# Altium PCB Bran_Main_Assay_PCB_v2_20170828.pcbdoc (part 4 of 5)
Units mil, origin at the board's own origin, x right, y up, seen from the top; angles counter-clockwise.
Board outline 3608.46 x 1899.79 mil, 6 copper layers (TOP, GND1, Singal, POWER, GND2, BOTTOM), stack 31.508 mil thick; 367 components, 288 nets, 1408 pads, 967 vias.
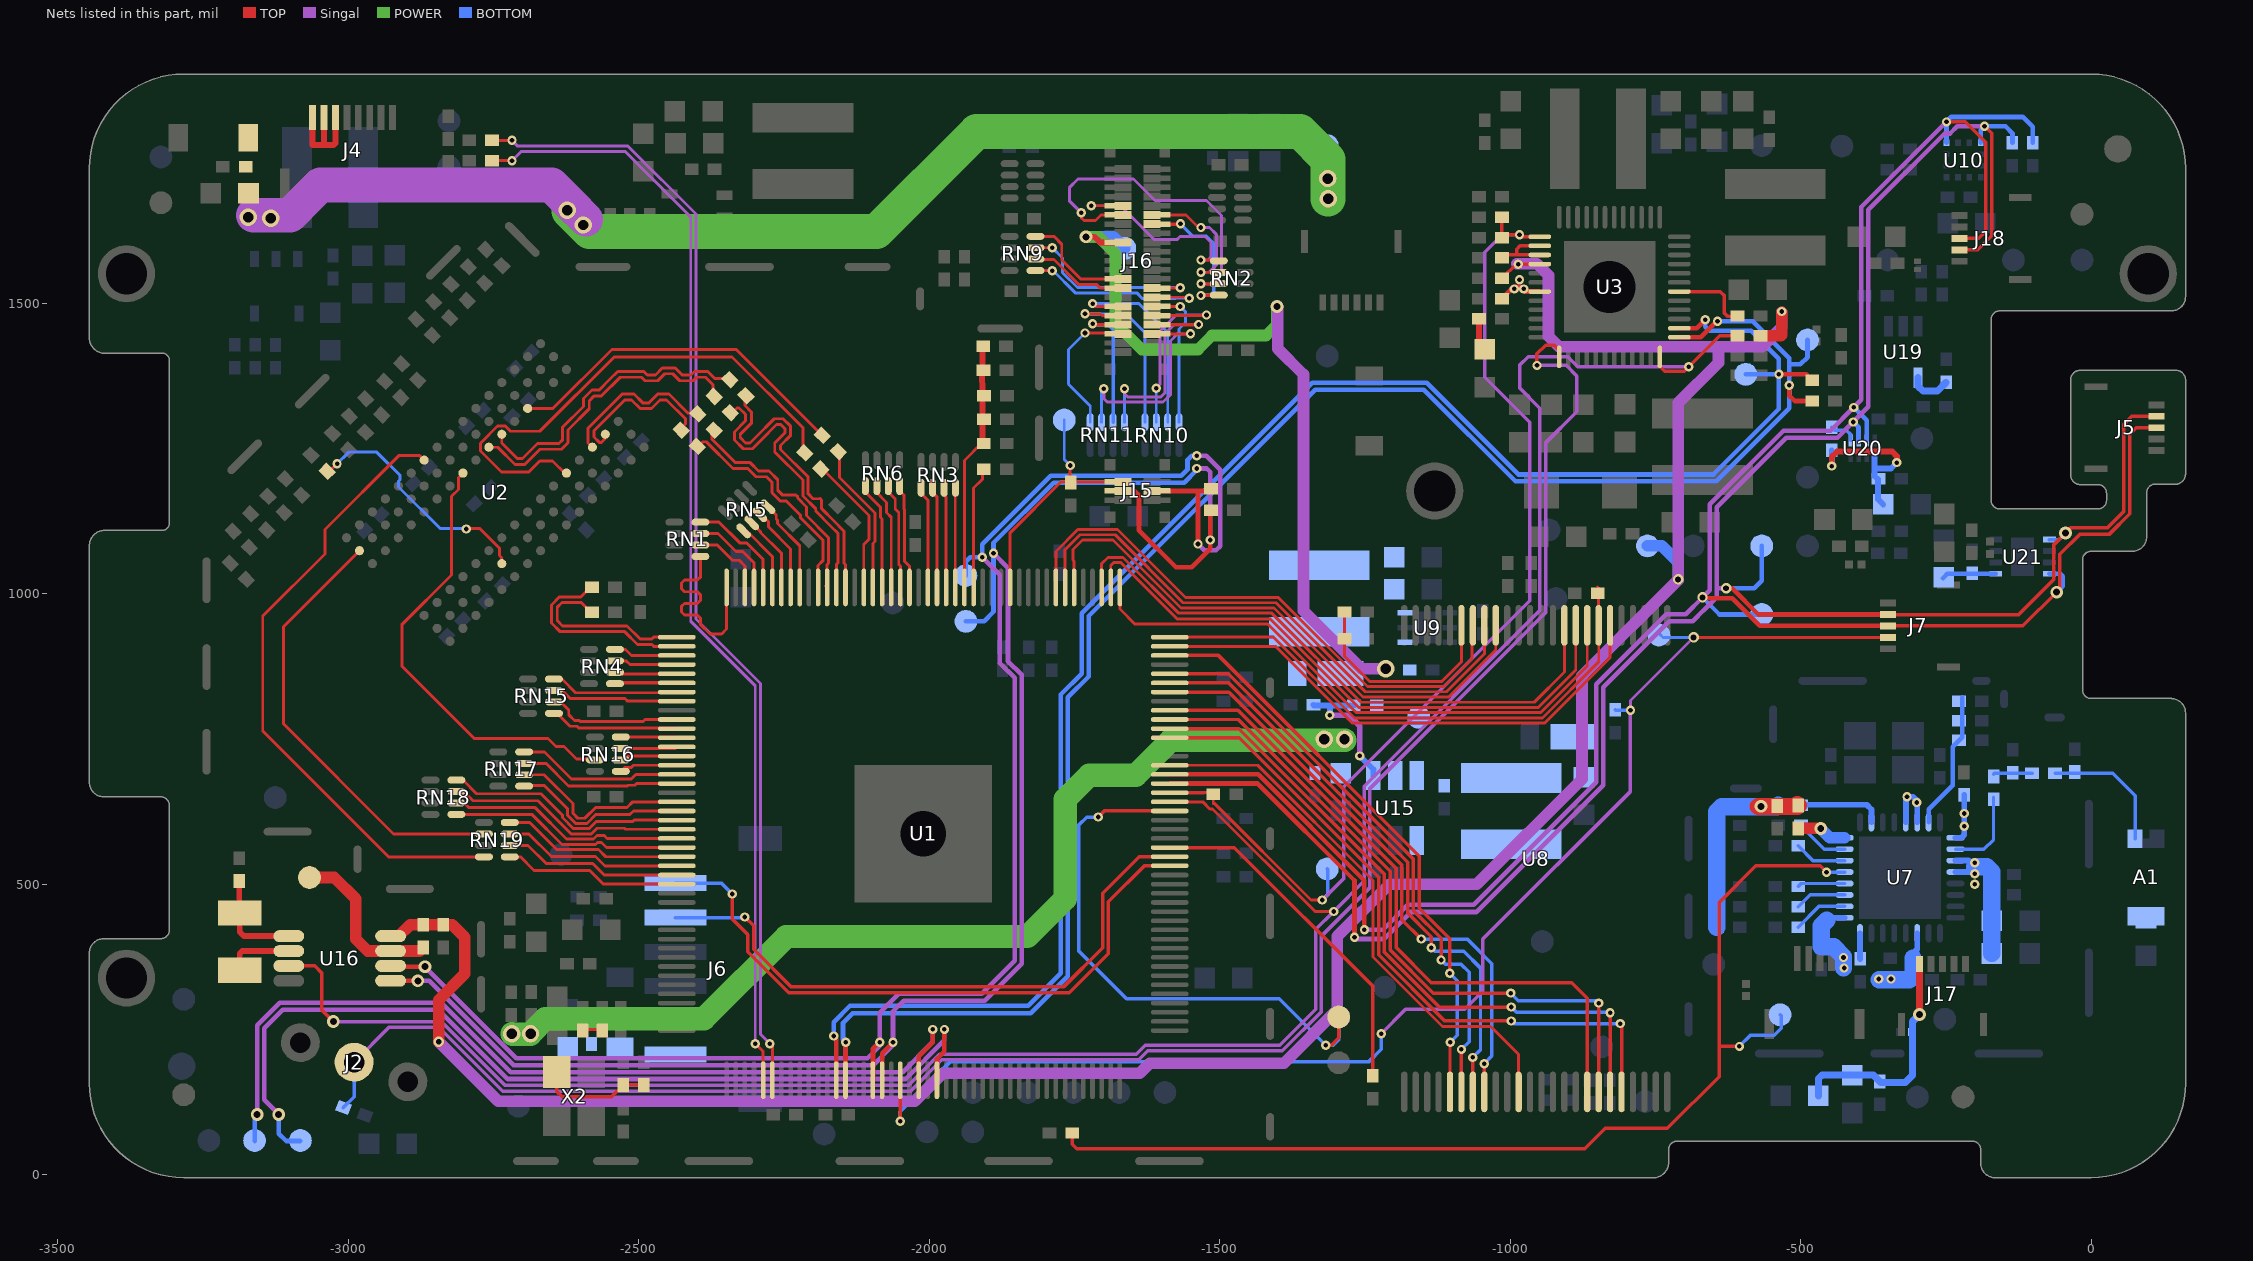
[diagram p8: the nets of this part, all layers, seen from the top]

## Via types
v1: diameter 16, hole 8, TOP to BOTTOM, tented both sides, 424 vias
v2: diameter 18, hole 10, TOP to BOTTOM, tented both sides, 255 vias
v3: diameter 22, hole 12, TOP to BOTTOM, tented both sides, 195 vias
v4: diameter 30, hole 18, TOP to BOTTOM, tented both sides, 69 vias
v5: diameter 24, hole 13, TOP to BOTTOM, tented both sides, 11 vias
v6: diameter 19.68, hole 7.87, TOP to BOTTOM, 9 vias
v7: diameter 22, hole 2, TOP to BOTTOM, tented both sides, 2 vias
v8: diameter 17.99, hole 10, TOP to BOTTOM, tented both sides, 1 vias
v9: diameter 20, hole 10, TOP to BOTTOM, tented both sides, 1 vias

## Nets (pads, with @x,y where several pads share a name; then routed paths per layer and width w, separated by ;. In a path a pad name is that pad's centre, name@x,y a point inside that pad or via, vN(x,y) a via of type N, cw(c..) or ccw(c..) an arc to the next point about the centre after c; other vN are vias at no path point) (continued)
N16977240: J16.29 RN9.5 | length 347.6
  TOP w5: RN9.5@-1817.21,1556.47 v1(-1788.3,1556.47) v1@-1786.93,1556.47 ; J16.29@-1616.73,1510.63 J16.29@-1593.5,1510.63 v1@-1554.34,1510.63
  BOTTOM w5: v1@-1786.69,1556.47 -1786.93,1556.47 -1748.7,1518.24 -1642.95,1518.24 -1633.45,1508.74 -1575.95,1508.74 -1575.45,1509.24 -1552.95,1509.24 v1(-1552.45,1508.74)
N16977241: J16.28 RN9.6 | length 171.1
  TOP w5: RN9.6@-1817.21,1576.16 -1816.59,1575.53 -1785.49,1575.53 -1742.2,1532.24 -1711.64,1532.24 -1705.78,1526.38 J16.28@-1689.96,1526.38 J16.28@-1666.73,1526.38
N16977242: J16.27 RN9.7 | length 342.5
  TOP w5: RN9.7@-1817.21,1595.84 -1788.3,1595.84 v1@-1786.62,1595.84 ; J16.27@-1616.73,1526.38 J16.27@-1593.5,1526.38 v1@-1568.56,1526.38
  BOTTOM w5: v1(-1788.3,1596) -1770.46,1578.17 -1770.46,1552.97 -1744.74,1527.24 -1568.19,1527.24 v1(-1567.94,1526.99)
N16977243: J16.26 RN9.8 | length 196.9
  TOP w5: RN9.8@-1817.21,1615.53 -1785.49,1615.53 -1771.96,1602.01 -1771.96,1574.73 -1739.36,1542.13 J16.26@-1689.96,1542.13 J16.26@-1666.73,1542.13
N16977551: J16.34 RN10.5 | length 337.2
  TOP w5: v1(-1731.94,1481.99) -1705.8,1481.99 -1702.94,1479.13 J16.34@-1689.96,1479.13 J16.34@-1666.73,1479.13
  BOTTOM w5: v1(-1731.94,1481.99) -1660.98,1481.99 -1628.98,1449.99 RN10.5@-1628.98,1295.44
N16977552: J16.33 RN10.6 | length 343.8
  TOP w5: J16.33@-1616.73,1479.13 J16.33@-1593.5,1479.13 v1@-1523.8,1479.13
  Singal w5: v1(-1609.45,1353.74) -1602.95,1360.24 -1602.95,1451.99 -1574.94,1479.99 v1(-1522.94,1479.99)
  BOTTOM w5: v1(-1609.45,1353.74) -1609.29,1353.58 RN10.6@-1609.29,1295.44
N16977553: J16.32 RN10.7 | length 358.7
  TOP w5: v1(-1718.94,1499.74) -1714.08,1494.88 J16.32@-1689.96,1494.88 J16.32@-1666.73,1494.88
  BOTTOM w5: v1(-1718.94,1499.74) -1639.45,1499.74 -1589.61,1449.9 RN10.7@-1589.61,1295.44
N16977554: J16.31 RN10.8 | length 278.8
  TOP w5: J16.31@-1616.73,1494.88 -1616.59,1494.74 -1593.5,1494.74 v1@-1569.45,1494.74 ; J16.31@-1593.5,1494.88 v1@-1569.59,1494.88
  BOTTOM w5: RN10.8@-1569.92,1295.44 -1569.92,1456.02 -1558.94,1466.99 -1558.94,1485.74 v1(-1567.94,1494.74)
N16977555: J16.38 RN11.5 | length 269.9
  TOP w5: v1(-1731.94,1448.99) -1689.96,1448.99 -1668.09,1448.99 J16.38@-1666.73,1447.64 J16.38@-1689.96,1447.64
  BOTTOM w5: v1(-1731.94,1448.99) -1760.46,1420.47 -1760.46,1361 -1722.98,1323.51 RN11.5@-1722.98,1295.44
N16977556: J16.37 RN11.6 | length 398.9
  TOP w5: J16.37@-1616.73,1447.64 J16.37@-1593.5,1447.64 v1(-1550.35,1447.64)
  Singal w5: v1(-1699.46,1353.21) -1699.46,1336 -1693.7,1330.24 -1597.5,1330.24 -1584.95,1342.79 -1584.95,1435.24 -1572.55,1447.64 v1(-1550.35,1447.64)
  BOTTOM w5: RN11.6@-1704.45,1296.6 RN11.6@-1703.29,1295.44 -1703.29,1349.39 v1(-1699.46,1353.21)
N16977557: J16.36 RN11.7 | length 243.7
  TOP w6: v1@-1715.46,1463 -1715.08,1463.39 J16.36@-1689.96,1463.39 J16.36@-1666.73,1463.39
  BOTTOM w6: v1@-1715.46,1463 -1691.46,1463 -1683.61,1455.14 RN11.7@-1683.61,1295.44
  other v1: -1718.94,1464.99
N16977558: J16.35 RN11.8 | length 387.7
  TOP w6: J16.35@-1616.73,1463.39 J16.35@-1593.5,1463.39 -1536.8,1463.39 v1(-1536.45,1463.74)
  Singal w5: v1(-1663.92,1353.21) -1663.92,1344.45 -1658.7,1339.24 -1601.22,1339.24 -1593.95,1346.52 -1593.95,1448.24 -1578.45,1463.74 v1(-1536.45,1463.74)
  BOTTOM w5: RN11.8@-1663.92,1295.44 v1(-1663.92,1353.21)
N16978242: J16.10 RN2.5 | length 369.3
  TOP w5: v1(-1721.46,1668) -1721.71,1668 -1721.82,1668.11 -1721.46,1668.11 J16.10@-1689.96,1668.11 J16.10@-1666.73,1668.11 ; v1(-1532.45,1574.74) -1503.17,1574.74 RN2.5@-1501.7,1573.27
  Singal w5: v1(-1721.46,1668) -1721.71,1668 -1721.82,1668.11 -1721.46,1668.11 -1670.82,1668.11 -1612.45,1609.74 -1573.94,1609.74 -1568.44,1615.24 -1525.2,1615.24 -1514.95,1604.99 -1514.95,1580.24 -1520.45,1574.74 v1(-1532.45,1574.74)
N16978245: J16.11 RN2.6 | length 239.9
  TOP w5: J16.11@-1616.73,1652.36 J16.11@-1593.5,1652.36 -1558.3,1652.36 -1536.68,1630.74 v1(-1532.45,1630.74) ; v1(-1532.45,1553.74) -1501.86,1553.74 RN2.6@-1501.7,1553.58
  Singal w5: v1(-1532.45,1553.74) -1518.45,1553.74 -1505.95,1566.24 -1505.95,1618.99 -1517.7,1630.74 v1(-1532.45,1630.74)
N16978418: J16.12 RN2.7 | length 605.5
  TOP w5: v1(-1738.3,1655.99) -1738.3,1647.35 -1733.94,1642.99 -1713.94,1642.99 -1704.57,1652.36 J16.12@-1689.96,1652.36 J16.12@-1666.73,1652.36 ; v1(-1532.45,1533.74) -1501.86,1533.74 RN2.7@-1501.7,1533.9
  Singal w5: v1(-1738.3,1655.99) -1758.94,1676.64 -1758.94,1698.99 -1743.83,1714.11 -1648.33,1714.11 -1611.46,1677.24 -1522.7,1677.24 -1496.95,1651.48 -1496.95,1551.24 -1514.45,1533.74 v1(-1532.45,1533.74)
N16978424: J16.13 RN2.8 | length 259.5
  TOP w6: J16.13@-1616.73,1636.61 J16.13@-1593.5,1636.61 -1567.85,1636.61 v1(-1567.46,1637) ; v1(-1532.45,1513.74) -1502.17,1513.74 RN2.8@-1501.7,1514.21
  BOTTOM w6: v1(-1567.46,1637) -1567.46,1636.54 -1546.66,1615.74 -1523.19,1615.74 -1510.45,1603 -1510.45,1519.74 -1516.45,1513.74 v1(-1532.45,1513.74)
N16998285: C38.2 R9.2 X2.3 | length 194.9
  TOP w6: X2.3@-2641.07,176.98 -2641.07,143.43 -2641.13,143.43 -2632.02,134.31 -2547.02,134.31 -2526.86,154.46 -2526.7,154.62 R9.2@-2492.02,154.62
N17029739: R74.2 U2.C7 | length 273.3
  TOP w5: U2.C7@-2580.03,1252.5 -2587.43,1259.9 -2587.43,1285.07 -2528.58,1343.92 -2508.43,1343.92 -2493.43,1328.92 -2482.58,1328.92 -2467.58,1343.92 -2448.28,1343.92 -2415.87,1311.51 R74.2@-2400.02,1311.51
N17029768: R75.2 U2.B7 | length 271.6
  TOP w5: U2.B7@-2557.76,1274.77 -2557.76,1267.59 -2564.43,1260.92 -2568.1,1260.92 -2577.43,1270.25 -2577.43,1280.92 -2524.43,1333.92 -2512.58,1333.92 -2497.58,1318.92 -2478.43,1318.92 -2463.43,1333.92 -2452.43,1333.92 -2419.43,1300.92 -2419.43,1293.1 R75.2@-2429.02,1283.51
N17030637: R73.2 U2.G3 | length 519.9
  TOP w5: U2.G3@-2758.2,1252.49 -2742.97,1252.49 -2713.4,1222.92 -2696.28,1222.92 -2670.28,1248.92 -2633.08,1248.92 -2621.7,1260.3 -2621.7,1282.28 -2585.43,1318.55 -2585.43,1332.14 -2576.65,1340.92 -2564.06,1340.92 -2532.06,1372.92 -2495.58,1372.92 -2489.58,1366.92 -2467.43,1366.92 -2455.43,1378.92 -2441.58,1378.92 -2429.58,1366.92 -2406.28,1366.92 -2400.28,1372.92 -2385.43,1372.92 -2372.02,1359.51 R73.2@-2372.02,1341.51
N17030639: R72.2 U2.F3 | length 520.2
  TOP w5: U2.F3@-2735.92,1274.77 -2735.92,1259.59 -2709.25,1232.92 -2700.43,1232.92 -2674.43,1258.92 -2637.23,1258.92 -2631.7,1264.45 -2631.7,1286.43 -2595.43,1322.7 -2595.43,1336.29 -2580.8,1350.92 -2568.21,1350.92 -2549.43,1369.7 -2536.22,1382.92 -2491.43,1382.92 -2485.43,1376.92 -2471.58,1376.92 -2459.58,1388.92 -2437.43,1388.92 -2425.43,1376.92 -2410.43,1376.92 -2404.43,1382.92 -2381.28,1382.92 -2368.87,1370.51 R72.2@-2345.02,1370.51
N17030675: R77.2 U2.D3 | length 608.1
  TOP w5: U2.D3@-2691.38,1319.31 -2648.04,1319.31 -2546.43,1420.92 -2332.35,1420.92 R77.2@-2186.02,1274.51
N17030677: R76.2 U2.E7 | length 910.1
  TOP w5: U2.E7@-2624.57,1207.96 -2627.47,1207.96 -2648.43,1228.92 -2670.43,1228.92 -2689.43,1209.92 -2736.43,1209.92 -2764,1237.49 -2772.73,1245.8 -2772.73,1259.18 -2771.4,1260.51 -2743.2,1289.15 -2729.96,1289.15 -2720.73,1279.92 -2670.43,1279.92 -2542.43,1407.92 -2339.42,1407.92 -2217.41,1285.91 -2217.41,1245.9 R76.2@-2216.02,1244.51
N17031032: R71.2 U2.L8 | length 421.2
  TOP w5: R71.2@-3034.84,1209.33 v1(-3019.43,1223.92) ; v1(-2797.01,1111.67) -2795.84,1112.84 -2774.35,1112.84 -2740.11,1078.6 -2740.11,1066.11 -2735.92,1061.92 U2.L8@-2735.92,1052.06
  BOTTOM w5: v1(-3019.43,1223.92) -2999.43,1243.92 -2951.12,1243.92 -2911.39,1204.19 -2911.39,1196.15 -2913.51,1194.03 -2913.51,1184.25 -2842.1,1112.84 -2798.18,1112.84 v1(-2797.01,1111.67)
N17176459: R151.2 U3.6 | length 135.1
  TOP w6: U3.6@-708.94,1520.43 -674.02,1520.43 ; -673.65,1520.43 -638.36,1520.43 -631.23,1513.31 -631.23,1483.03 -626.51,1478.31 R151.2@-608.7,1478.31
N17436294: R156.1 U7.2 | length 145.7
  BOTTOM w5.7: U7.2@-233.54,560.52 -184.46,560.52 -167.94,577.04 R156.1@-167.94,646.31 R156.1@-167.94,650.31
N17436340: C213.1 C215.1 R156.2 | length 66.9
  BOTTOM w5.7: R156.2@-167.94,689.68 -166.63,690.99 -134.94,690.99 C213.1@-101.63,690.99
N17436479: A1.3@75.79,578.74 C213.2 C216.1 | length 227.9
  BOTTOM w5.7: C213.2@-62.26,690.99 -27.94,690.99 37.54,690.99 75.79,652.75 A1.3@75.79,578.74
N17436778: A1.2 R160.1
N17439379: R204.1 U7.26 | length 153
  BOTTOM w10: R204.1@-505.78,637 -499.22,637 -386.3,637 -378.23,628.93 U7.26@-378.23,606.78
N17493110: C1.1 R2.2 | length 32
  TOP w5: R2.2@-2596.3,250.31 C1.1@-2564.3,250.31
N17550444: C225.1 C227.1 D18.1 L18.1 U15.6
N17550467: L18.2 U15.1
N17550469: R188.2 R189.1 U15.4 | length 241.4
  Singal w10: v1(-1310.46,791) -1277.46,791 -1259.02,772.55 v1(-1259.02,721.1)
  BOTTOM w10: R188.2@-1338.78,809 -1337.78,808 -1310.46,808 ; v1(-1310.46,791) -1310.46,808 ; R189.1@-1269.15,808 -1310.46,808 ; v1(-1259.02,721.1) -1235.42,697.5 U15.4@-1235.42,687.1
N17556983: R194.1 TP5.1 U16.7 | length 290.8
  TOP w20: TP5.1@-3066.93,511.81 -3024.28,511.81 -2987.46,475 -2987.46,406 -2966.72,385.25 U16.7@-2927.42,385.25 -2877.53,385.25 R194.1@-2871.46,391.32
N17556994: C32.2 U16.1 X3.2 | length 175.5
  TOP w10: C32.2@-3188.02,505.77 -3188.02,451.67 X3.2@-3187.02,450.67 -3187.02,418.1 -3179.76,410.84 U16.1@-3102.61,410.84
N17557015: U16.2 X3.1 | length 115
  TOP w10: X3.1@-3187.02,352.24 -3187.02,381.1 -3182.87,385.25 U16.2@-3102.61,385.25
N17569799: C237.1 U19.4 | length 73.1
  BOTTOM w12: U19.4@-297.87,1372.32 -297.87,1357.41 -289.46,1349 -264.78,1349 C237.1@-249.46,1364.32
N17725418: R201.2 U7.24 | length 86.6
  TOP w20: R201.2@-504.46,596.31 -465.78,596.31 v3(-465.46,596)
  BOTTOM w20: v3(-465.46,596) -449.67,580.2 U7.24@-424.49,580.2
N17726905: C245.2 R155.2 R202.2 U7.31 | length 239.1
  BOTTOM w8: U7.31@-279.8,606.78 -279.8,628.93 -238.46,670.27 -238.46,736.69 -227.39,747.76 -222.15,753 -222.15,781.99 -222.15,814.99 R155.2@-222.15,822
N17728099: R203.2 U7.16 | length 44.3
  BOTTOM w10: U7.16@-397.91,415.83 -397.91,372.13 R203.2@-397.46,371.69
N17734642: C248.2 C249.2 D19.1 J17.1 R198.1 | length 401
  TOP w12: v3(-295.46,276) -295.28,276.19 J17.1@-295.28,363.19
  BOTTOM w12: R198.1@-469.44,135.99 -469.44,165.52 -463.53,171.44 C249.2@-411.46,171.44 -374.7,171.44 C248.2@-363.94,160.68 -362.26,158.99 -319.94,158.99 -307.93,171.01 -307.93,246 -307.93,263.54 v3(-295.46,276)
N17747477: R209.1 U20.5 | length 48.6
  BOTTOM w6: R209.1@-446.26,1286.89 R209.1@-446.46,1286.68 -441.78,1282 -421.46,1282 -413.46,1274 -414.13,1273.33 U20.5@-414.13,1264.19
N17800108: C251.2 L7.1 L19.1 U9.6
N17800564: D12.2 L7.2 U9.4
N17849143: C238.1 R213.2 U21.5 | length 93.8
  BOTTOM w8: R213.2@-255,1027 -253.75,1028.25 -247.53,1034.47 -205,1034.47 U21.5@-164.26,1034.47
N167142980: C53.1 R14.1 | length 56.5
  TOP w10: R14.1@-1053.7,1473.31 -1053.7,1430.49 C53.1@-1044.02,1420.81
NALE: U1.7 U8.17 | length 985.4
  TOP w5: U1.7@-1766.34,1011.13 -1766.34,1075.98 -1740.58,1101.74 -1680.05,1101.74 -1563.13,984.83 -1402.99,984.83 -1249.66,831.5 -1109.62,831.5 -1044.61,896.51 U8.17@-1044.61,945.83
NCE0-N: U1.2 U8.9 | length 1047
  TOP w5: U1.2@-1687.6,1011.13 -1687.6,1048.83 -1682.6,1053.83 -1670.32,1053.83 -1573.32,956.83 -1413.17,956.83 -1260.85,804.5 -951.77,804.5 -887.13,869.15 U8.9@-887.13,945.83
NCE1-N: U1.3 U8.10 | length 1047
  TOP w5: U1.3@-1703.34,1011.13 -1703.34,1051.83 -1692.34,1062.83 -1666.59,1062.83 -1570.59,966.83 -1410.45,966.83 -1257.12,813.5 -958.62,813.5 -906.81,865.31 U8.10@-906.81,945.83
NCLE: U1.6 U8.16 | length 988.6
  TOP w5: U1.6@-1750.59,1011.13 -1750.59,1055.94 -1752.65,1058 -1752.65,1076.6 -1736.5,1092.74 -1683.78,1092.74 -1566.86,975.83 -1406.72,975.83 -1253.39,822.5 -1105.89,822.5 -1024.92,903.47 U8.16@-1024.92,945.83
ND0: U1.174 U8.29 | length 1010.8
  TOP w6: U1.174@-1586.22,894.01 -1502.19,894.01 -1156.52,548.33 -1156.52,458.89 -1104.02,406.39 v1(-1104.02,346.83) ; U8.29@-1103.66,142.68 v1@-1103.66,228
  BOTTOM w6: v1(-1104.02,346.83) -1091.02,333.83 -1091.02,240.45 v1(-1103.46,228)
ND1: U1.172 U8.30 | length 1013.5
  TOP w6: U1.172@-1586.22,862.51 -1485.69,862.51 -1166.52,543.33 -1166.52,454.74 -1119.02,407.24 v1(-1119.02,369.83) ; U8.30@-1083.98,142.68 v1@-1083.98,215.8 ; v1(-1084.02,215.83) v1@-1083.98,215.8
  BOTTOM w6: v1(-1119.02,369.83) -1112.02,362.83 -1085.02,362.83 -1070.86,348.67 -1070.86,228.99 v1(-1084.02,215.83)
ND2: U1.171 U8.31 | length 1019.8
  TOP w6: U1.171@-1586.22,846.76 -1484.94,846.76 -1176.52,538.33 -1176.52,450.6 -1136.02,410.1 v1(-1136.02,390.83) ; U8.31@-1064.29,142.68 v1(-1064.29,202.11)
  BOTTOM w6: v1(-1136.02,390.83) -1130.02,384.83 -1080.02,384.83 -1051.18,355.99 -1051.18,215.23 v1(-1064.29,202.11)
ND3: U1.170 U8.32 | length 1031.6
  TOP w6: U1.170@-1586.22,831.01 -1484.19,831.01 -1186.52,533.33 -1186.52,439.33 v1(-1153.02,405.83) ; U8.32@-1046.02,144.09 U8.32@-1044.61,142.68 v1(-1044.61,191.43)
  BOTTOM w6: v1(-1153.02,405.83) -1074.02,405.83 -1031.49,363.3 -1031.49,204.55 v1(-1044.61,191.43)
ND4: U1.168 U8.41 | length 1165.1
  TOP w6: U1.168@-1586.22,799.52 -1468.7,799.52 -1196.52,527.33 -1196.52,391.2 -1136.15,330.83 -894.28,330.83 -867.44,304 U8.41@-867.44,142.68
ND5: U1.167 U8.42 | length 1172.8
  TOP w6: U1.167@-1586.22,783.77 -1467.95,783.77 -1206.52,522.33 -1206.52,387.05 -1132.3,312.83 v1(-999.02,312.83) ; U8.42@-847.76,142.68 v1(-847.76,295.57)
  BOTTOM w6: v1(-999.02,312.83) -985.86,299.67 -851.86,299.67 v1(-847.76,295.57)
ND6: U1.166 U8.43 | length 1177.4
  TOP w6: U1.166@-1586.22,768.02 -1467.2,768.02 -1216.52,517.33 -1216.52,382.91 -1122.44,288.83 v1(-998.02,288.83) ; U8.43@-828.07,142.68 -828.07,277.57 -828.68,278.17 -829.28,278.78 v1(-828.07,278.78)
  BOTTOM w6: v1(-998.02,288.83) -989.18,279.99 -829.29,279.99 v1(-828.07,278.78)
ND7: U1.165 U8.44 | length 1177.1
  TOP w6: U1.165@-1586.22,752.27 -1466.45,752.27 -1226.52,512.33 -1226.52,378.77 -1112.58,264.83 v1(-998.02,264.83) ; v1(-810.49,260.3) -808.39,258.2 U8.44@-808.39,142.68 U8.44@-809.02,143.31
  BOTTOM w6: v1(-998.02,264.83) -993.49,260.3 v1(-810.49,260.3)
NDQS: U1.162 U8.35 | length 948.6
  TOP w5: U1.162@-1586.22,705.03 -1434.59,705.03 -1236.02,506.46 -1236.02,374.83 -1116.52,255.33 -1033.52,255.33 -985.55,207.37 U8.35@-985.55,142.68
NMI-N: R21.1 U1.158 U3.48 U16.3 | length 4071.2
  TOP w5: U1.158@-1586.22,642.04 -1529.28,642.04 -1517.14,629.9 -1512.37,629.9 -1335.78,453.31 v1(-1304.02,453.31)
  TOP w6: U16.3@-3102.61,359.66 -3058.13,359.66 -3045.46,347 -3045.46,283.28 v3(-3026.02,263.83) ; U3.48@-742.4,1408.23 -742.4,1391.69 -734.02,1383.31 -700.16,1383.31 v1(-692.46,1391) -639.25,1444.21 R21.1@-608.69,1444.21
  Singal w6: v3(-3026.02,263.83) -2840.2,263.83 -2730.19,153.83 -2036.47,153.83 -1982.46,207.83 -1643.45,207.83 -1627.97,223.31 -1396.95,223.31 -1334.95,285.31 -1334.95,422.37 v1(-1304.02,453.31) -1251.45,505.87 -1251.45,669.16 -949.2,971.41 -949.2,1319.74 -984.02,1354.55 -984.02,1393.31 -969.02,1408.31 -900.77,1408.31 -883.46,1391 v1(-692.46,1391)
NRB0-N: R34.2 U1.176 U8.7 | length 965.6
  TOP w5: U1.176@-1586.22,925.5 -1407.31,925.5 -1268.3,786.5 -944.32,786.5 -847.65,883.17 -847.65,945.72 U8.7@-847.76,945.83 -847.76,1000.83 -847.76,1009.72 -849.76,1011.73
NRB1-N: U1.175 U8.6 | length 915.3
  TOP w5: U1.175@-1586.22,909.75 -1404.28,909.75 -1272.03,777.5 -940.59,777.5 -828.07,890.02 U8.6@-828.07,945.83
NRE-N: U1.1 U8.8 | length 1018.7
  TOP w5: U1.1@-1671.85,1011.13 -1671.85,973.83 -1645.85,947.83 -1416.9,947.83 -1264.58,795.5 -948.04,795.5 -867.44,876.1 U8.8@-867.44,945.83
NWE-N: U1.8 U8.18 | length 983.5
  TOP w5: U1.8@-1782.08,1011.13 -1782.08,1072.97 -1744.31,1110.74 -1676.05,1110.74 -1559.13,993.83 -1399.26,993.83 -1245.94,840.5 -1113.85,840.5 -1065.47,888.88 -1065.47,944.65 U8.18@-1064.29,945.83
NWP-N: C111.2 R39.2 U8.19 | length 372.1
  TOP w5: R39.2@-1285.33,968.83 C111.2@-1285.33,922.83 -1285.33,892.62 -1242.21,849.5 -1117.58,849.5 -1083.98,883.1 U8.19@-1083.98,945.83
O_RESET: J7.2 R131.2 TP86.1 U1.108 | length 2373.7
  TOP w5: v2@-683.27,925.2 J7.2@-349.59,925.2
  TOP w6: v1@-2049.8,92.05 U1.108@-2049.8,162.71
  Singal w5: v1(-793.02,799.83) -793.02,816.45 v2(-684.46,925)
  Singal w6: v1(-1222.02,242.83) -1222.02,243.05 -1180.23,284.83 -1078.16,284.83 -1047.02,315.98 -1047.02,405.83 -793.02,659.83 v1(-793.02,799.83)
  BOTTOM w5: TP86.1@-744.09,932.17 -742.57,930.65 -736.92,925 v2(-684.46,925)
  BOTTOM w6: v1(-2049.94,91.99) -2049.94,108.52 -1963.46,195 -1243.02,195 -1222.02,216 v1(-1222.02,242.83) ; R131.2@-819.02,800.52 -818.33,799.83 v1(-793.02,799.83)
ODT: RN19.4 U2.K1 | length 1088.5
  TOP w5: U2.K1@-2869.55,1230.23 -2877.24,1237.92 -2913.43,1237.92 -3040.43,1110.92 -3040.43,1068.92 -3147.43,961.92 -3147.43,763.92 -2930.9,547.39 RN19.4@-2766.66,547.39
P_RX_UART1: J6.5 U1.152 | length 1072.8
  TOP w6: v1(-2317.45,443.83) -2302.3,428.68 -2302.3,387.99 -2237.61,323.31 -1769.02,323.31 -1701.65,390.68 -1701.65,484.55 -1638.65,547.55 U1.152@-1586.22,547.55
  BOTTOM w6: J6.5@-2437.01,442.91 -2318.37,442.91 v1(-2317.45,443.83)
P_TX_UART1: J6.6 U1.151 | length 1114.3
  TOP w6: v1(-2339.02,483.31) -2339.02,440.39 -2312.3,413.68 -2312.3,383.85 -2241.76,313.31 -1759.02,313.31 -1691.65,380.68 -1691.65,469.8 -1629.65,531.8 U1.151@-1586.22,531.8
  BOTTOM w6: J6.6@-2437.01,501.96 -2357.67,501.96 v1(-2339.02,483.31)
RAS: RN16.3 U2.J3 | length 774.7
  TOP w5: U2.J3@-2802.74,1207.95 -2810.62,1200.07 -2810.62,1179.73 -2822.43,1167.92 -2822.43,1032.77 -2907.43,947.77 -2907.43,875.07 -2783.28,750.92 -2656.34,750.92 -2642.58,737.16 -2628.82,737.16 -2607.58,715.92 -2577.3,715.92 RN16.3@-2575.57,714.2
RESET-N: C7.2 C71.2 R23.1 TP88.1 U1.159 U3.25 | length 1877.7
  TOP w5: -1527.45,657.79 -1513.88,657.79 C7.2@-1510.98,654.89 ; C7.2@-1511.13,654.74 -1511.13,638.9 -1508.64,638.9 -1342.75,473 v1(-1323.46,473)
  TOP w6: U1.159@-1586.22,657.79 -1527.45,657.79 ; C71.2@-1014.33,1648.31 R23.1@-1014.33,1613.31 -1009.33,1618.31 v1(-984.02,1618.31) -980.63,1614.92 U3.25@-949.09,1614.92
  Singal w6: v1(-1323.46,473) -1286.46,510 -1286.46,668 -966.46,988 -966.46,1295.54 -1044.02,1373.09 -1044.02,1588.31 -1014.02,1618.31 v1(-984.02,1618.31)
  BOTTOM w6: v1(-1323.46,473) -1314.45,482.02 -1314.45,526.15 TP88.1@-1314.96,526.66
RST: RN19.2 U2.T2 | length 775.6
  TOP w5: U2.T2@-2980.91,1074.33 -3111.43,943.81 -3111.43,775.92 -2922.27,586.76 RN19.2@-2766.66,586.76